# Altium PCB RFID final.PcbDoc (part 1 of 3) (continued)
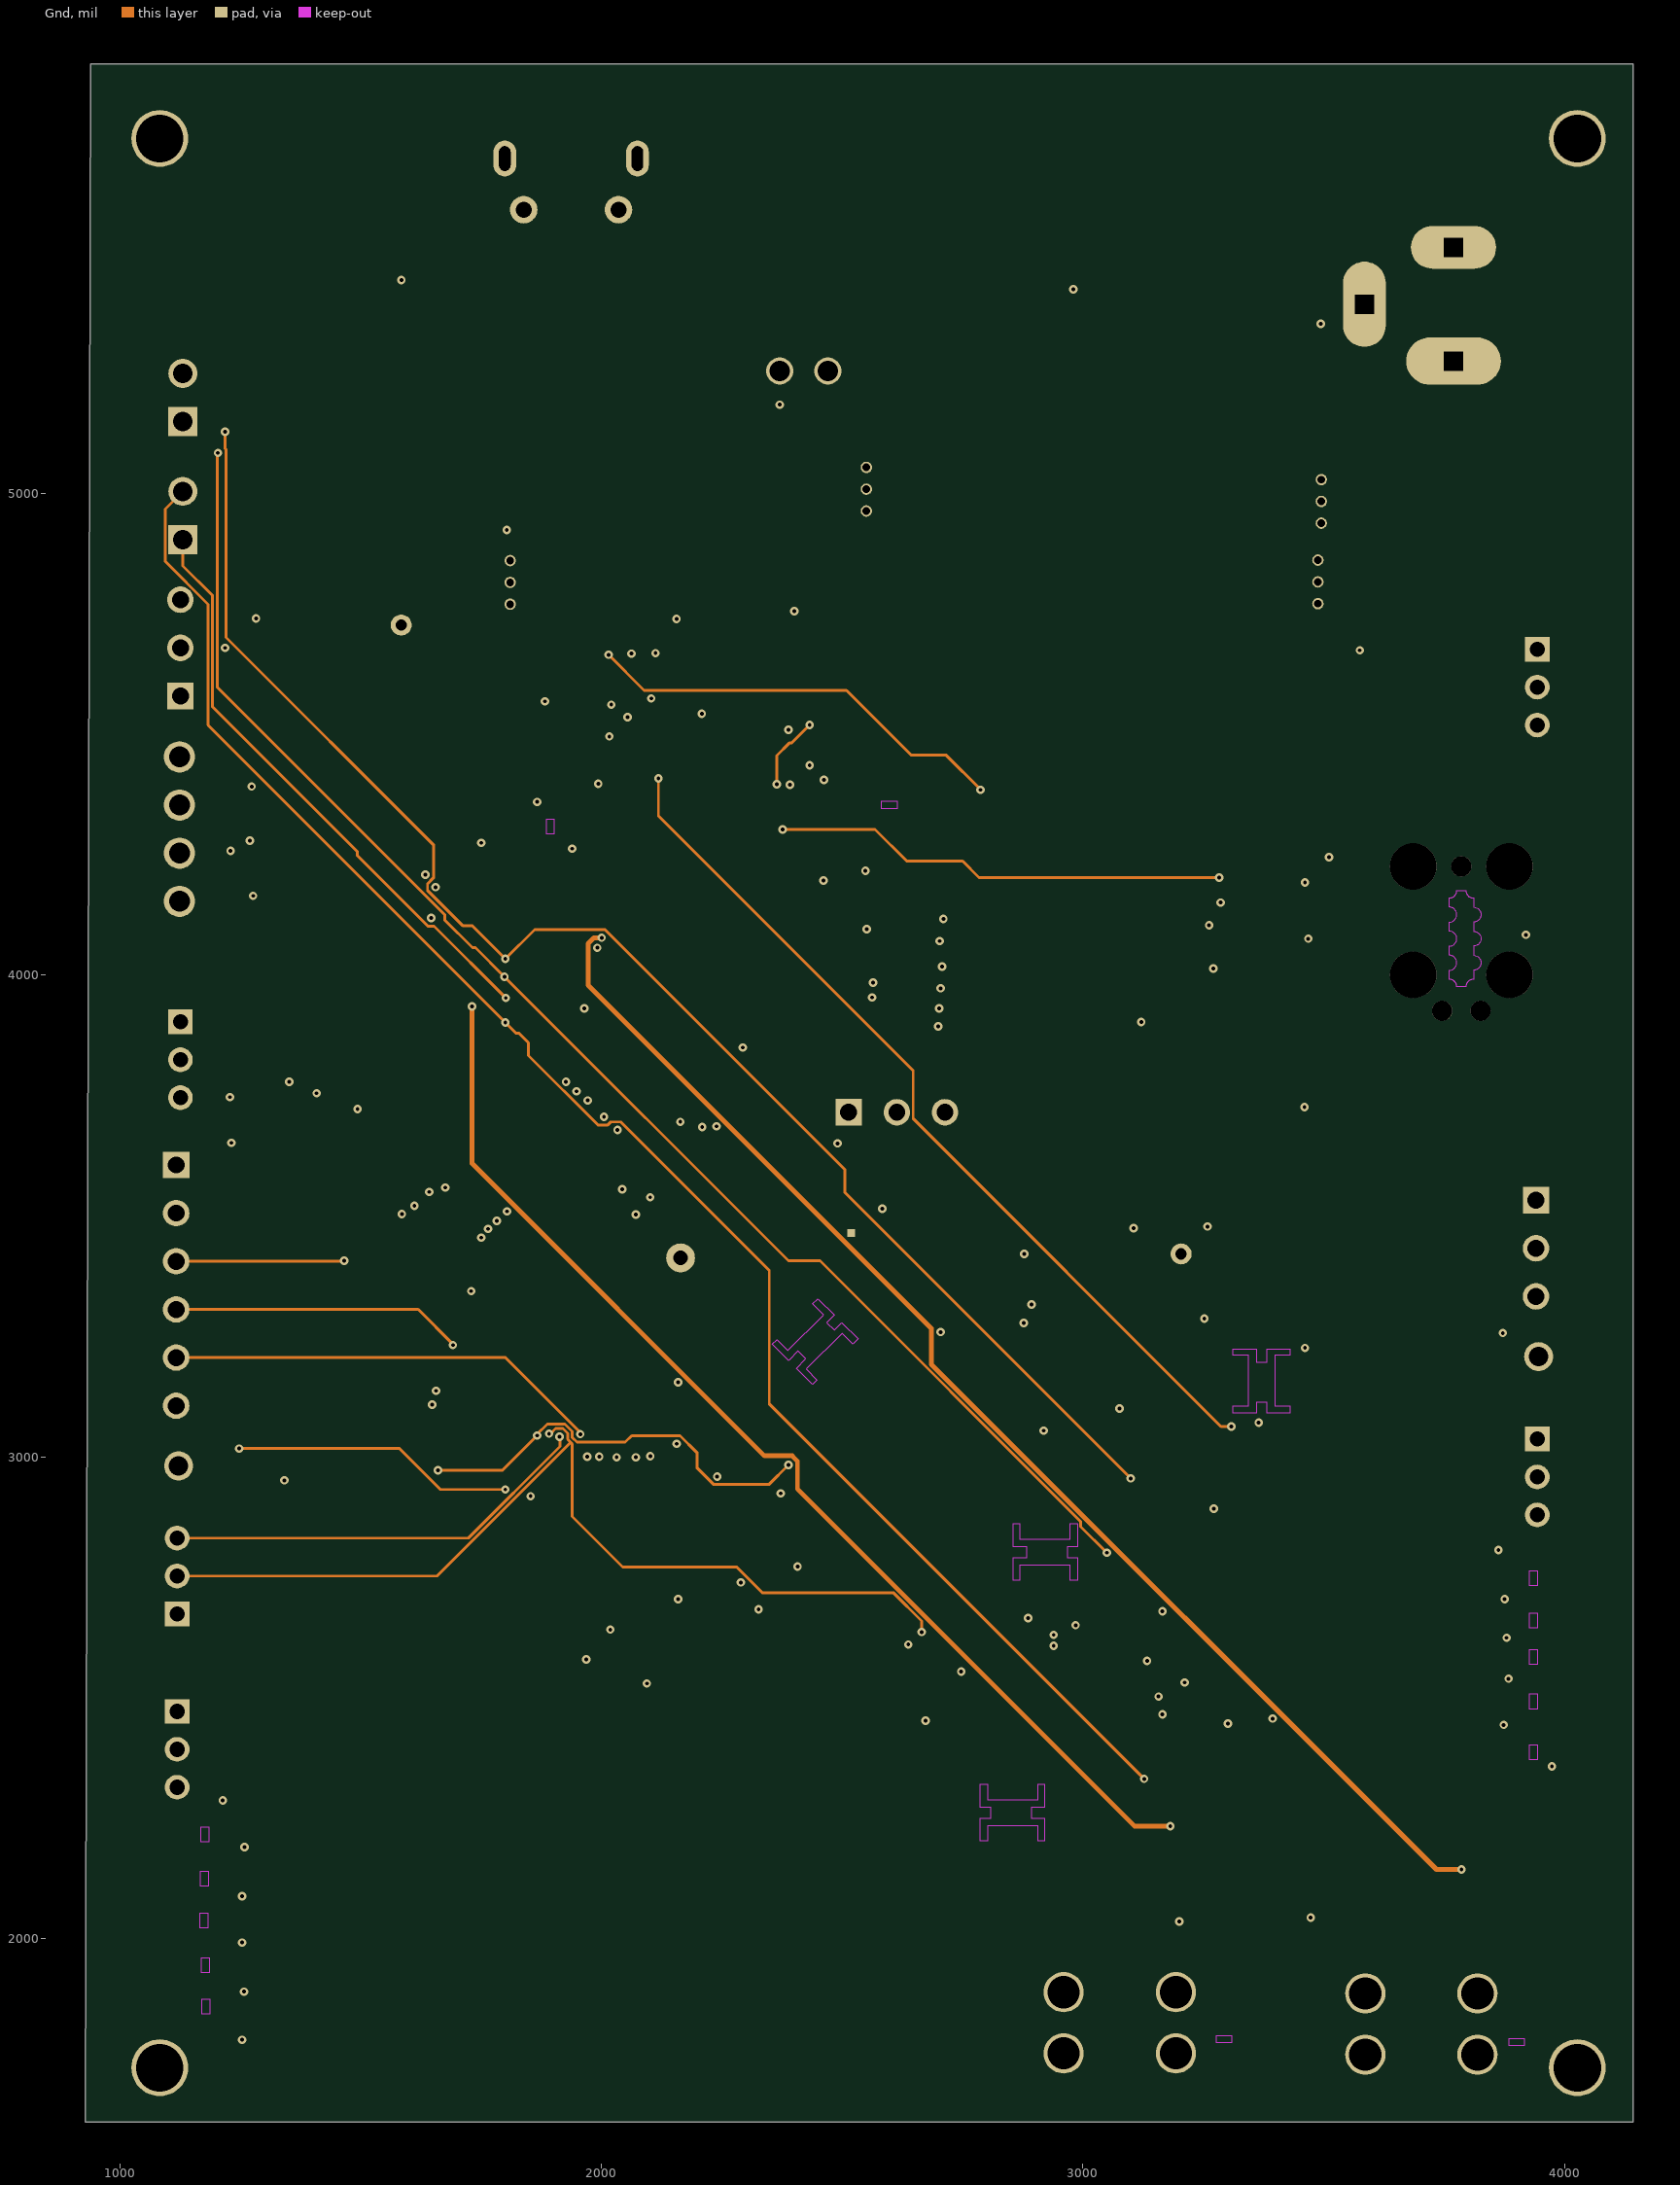
[diagram p4: Gnd]
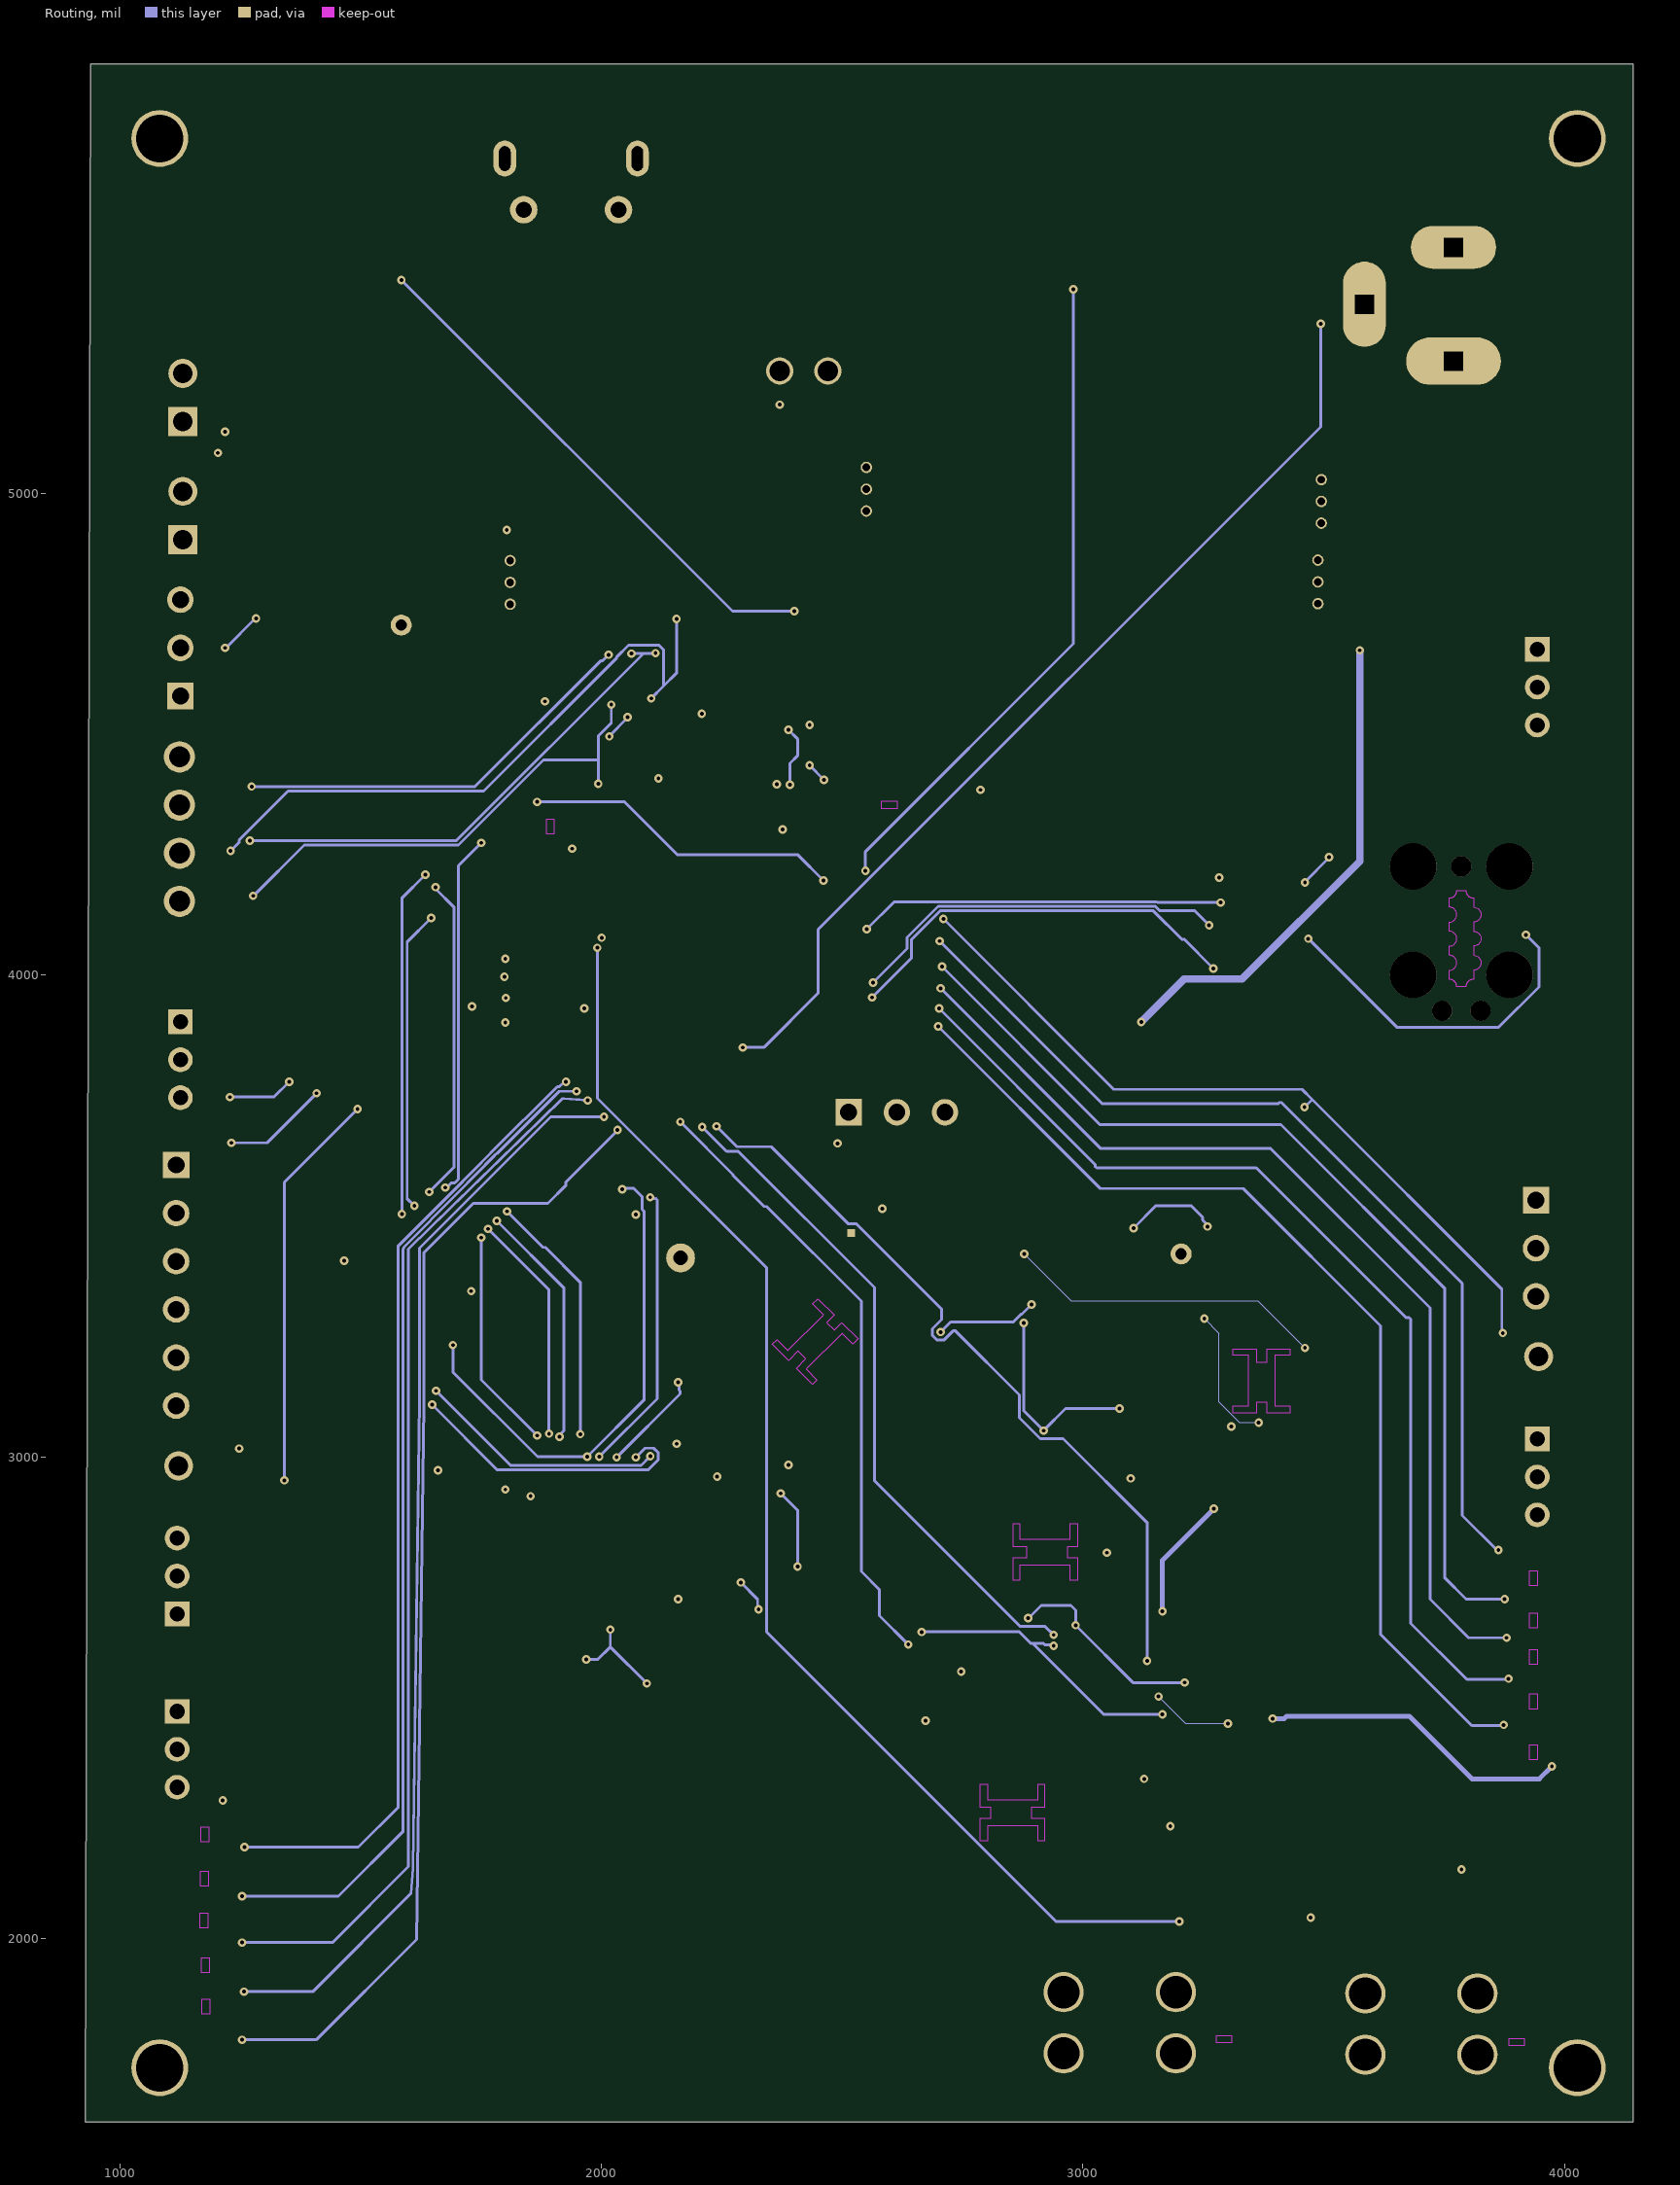
[diagram p5: Routing]

## Layer stack, top to bottom
Top Solder: solder mask 0.4, Solder Resist, Dk 4.4
Top Layer: signal copper 1.378
Dielectric 4: prepreg 2.8, PP-006, Dk 4.4
RF_Ground: signal copper 0.709
Dielectric 2: prepreg 2.8, PP-006, Dk 4.4
Power: signal copper 0.709
Dielectric 1: dielectric 12.6, FR-4, Dk 4.4
Gnd: signal copper 0.709
Dielectric 3: prepreg 2.8, PP-006, Dk 4.4
Routing: signal copper 0.709
Dielectric 5: prepreg 2.8, PP-006, Dk 4.4
Bottom_Gnd: signal copper 1.378
Bottom Solder: solder mask 0.4, Solder Resist, Dk 4.4

## Board outline
4143,5892.99 938.79,5893.01 927.23,1618 4143,1618

## Design rules (kind name [scope] priority, off if disabled: settings)
BoardOutlineClearance [All] p1: gap=7.87 ignorepadtopadclearanceinfootprint=FALSE
Clearance [All] p1: gap=3.5 ignorepadtopadclearanceinfootprint=FALSE except(5: Arc-Via Track-Via SMDPad-Via THPad-Via Via-Via Via-Fill Via-Poly Via-Region Via-Text; 9.84: Arc-Hole Track-Hole SMDPad-Hole THPad-Hole Via-Hole Fill-Hole Poly-Hole Region-Hole Text-Hole)
ComponentClearance [All] p1: gap=3.5 collisioncheckmode=3 verticalgap=3.5 showdistances=TRUE
DiffPairsRouting DiffPairsRouting_1 [InDifferentialPair('D_ESD')] p1: maxlimit=10 minlimit=10 mostfreqgap=10 toplayer_minwidth=5.91 toplayer_maxwidth=11.81 toplayer_prefwidth=7.48 midlayer1_minwidth=5.91 midlayer1_maxwidth=11.81 midlayer1_prefwidth=7.48 midlayer2_minwidth=5.91 midlayer2_maxwidth=11.81 midlayer2_prefwidth=7.48 midlayer3_minwidth=5.91 midlayer3_maxwidth=11.81 midlayer3_prefwidth=7.48 midlayer4_minwidth=5.91 midlayer4_maxwidth=11.81 midlayer4_prefwidth=7.48 bottomlayer_minwidth=5.91 bottomlayer_maxwidth=11.81 bottomlayer_prefwidth=7.48 maxuncoupledlength=500
DiffPairsRouting diff_RFO [InDifferentialPair('RFO')] p2: maxlimit=5 minlimit=5 mostfreqgap=5 toplayer_minwidth=3.05 toplayer_maxwidth=3.05 toplayer_prefwidth=3.05 midlayer1_minwidth=1.63 midlayer1_maxwidth=1.63 midlayer1_prefwidth=1.63 midlayer2_minwidth=2.25 midlayer2_maxwidth=2.25 midlayer2_prefwidth=2.25 midlayer3_minwidth=2.25 midlayer3_maxwidth=2.25 midlayer3_prefwidth=2.25 midlayer4_minwidth=1.63 midlayer4_maxwidth=1.63 midlayer4_prefwidth=1.63 bottomlayer_minwidth=3.05 bottomlayer_maxwidth=3.05 bottomlayer_prefwidth=3.05 impedanceprofiledriven=TRUE impedanceprofileid={D69814C1-8BCF-4834-B0C3-116DC5DC2E47} impedanceprofilevalue=100.000000 maxuncoupledlength=500
DiffPairsRouting diff_RX [InDifferentialPair('RX')] p3: maxlimit=5 minlimit=5 mostfreqgap=5 toplayer_minwidth=3.05 toplayer_maxwidth=3.05 toplayer_prefwidth=3.05 midlayer1_minwidth=1.63 midlayer1_maxwidth=1.63 midlayer1_prefwidth=1.63 midlayer2_minwidth=2.25 midlayer2_maxwidth=2.25 midlayer2_prefwidth=2.25 midlayer3_minwidth=2.25 midlayer3_maxwidth=2.25 midlayer3_prefwidth=2.25 midlayer4_minwidth=1.63 midlayer4_maxwidth=1.63 midlayer4_prefwidth=1.63 bottomlayer_minwidth=3.05 bottomlayer_maxwidth=3.05 bottomlayer_prefwidth=3.05 impedanceprofiledriven=TRUE impedanceprofileid={D69814C1-8BCF-4834-B0C3-116DC5DC2E47} impedanceprofilevalue=100.000000 maxuncoupledlength=500
DiffPairsRouting diff_TX [InDifferentialPair('TX')] p4: maxlimit=5 minlimit=5 mostfreqgap=5 toplayer_minwidth=3.05 toplayer_maxwidth=3.05 toplayer_prefwidth=3.05 midlayer1_minwidth=1.63 midlayer1_maxwidth=1.63 midlayer1_prefwidth=1.63 midlayer2_minwidth=2.25 midlayer2_maxwidth=2.25 midlayer2_prefwidth=2.25 midlayer3_minwidth=2.25 midlayer3_maxwidth=2.25 midlayer3_prefwidth=2.25 midlayer4_minwidth=1.63 midlayer4_maxwidth=1.63 midlayer4_prefwidth=1.63 bottomlayer_minwidth=3.05 bottomlayer_maxwidth=3.05 bottomlayer_prefwidth=3.05 impedanceprofiledriven=TRUE impedanceprofileid={D69814C1-8BCF-4834-B0C3-116DC5DC2E47} impedanceprofilevalue=100.000000 maxuncoupledlength=500
DiffPairsRouting [All] p5: maxlimit=5 minlimit=5 mostfreqgap=5 toplayer_minwidth=3.05 toplayer_maxwidth=3.05 toplayer_prefwidth=3.05 midlayer1_minwidth=1.63 midlayer1_maxwidth=1.63 midlayer1_prefwidth=1.63 midlayer2_minwidth=2.25 midlayer2_maxwidth=2.25 midlayer2_prefwidth=2.25 midlayer3_minwidth=2.25 midlayer3_maxwidth=2.25 midlayer3_prefwidth=2.25 midlayer4_minwidth=1.63 midlayer4_maxwidth=1.63 midlayer4_prefwidth=1.63 bottomlayer_minwidth=3.05 bottomlayer_maxwidth=3.05 bottomlayer_prefwidth=3.05 impedanceprofiledriven=TRUE impedanceprofileid={D69814C1-8BCF-4834-B0C3-116DC5DC2E47} impedanceprofilevalue=100.000000 maxuncoupledlength=500
Height [All] p1: minheight=0 maxheight=71497.94 prefheight=500
HoleSize [All] p1: absolutevalues=TRUE maxlimit=248.03 minlimit=7.87 maxpercent=80.000 minpercent=20.000
HoleToHoleClearance [All] p1: gap=9.84 allowstackedmicrovias=FALSE
MinimumAnnularRing [All] p1: minimumring=3
MinimumSolderMaskSliver [All] p1: minsoldermaskwidth=0
PlaneClearance [All] p1: clearance=3.5
PlaneConnect PlaneConnectPowerPads [InPadClass('PowerPads')] p1: planeconnectstyle=Direct reliefexpansion=20 reliefentries=4 reliefconductorwidth=10 reliefairgap=10
PlaneConnect [All] p2: pad.planeconnectstyle=Relief pad.reliefexpansion=11.81 pad.reliefentries=4 pad.reliefconductorwidth=3.5 pad.reliefairgap=3.5 via.planeconnectstyle=Direct via.reliefexpansion=11.81 via.reliefentries=4 via.reliefconductorwidth=5 via.reliefairgap=5
PolygonConnect PolygonConnectPowerPads [All vs (InPadClass('PowerPads'))] p1: connectstyle=Direct reliefconductorwidth=10 reliefentries=4 polygonreliefangle="90 Angle" airgapwidth=10
PolygonConnect [All] p2: thpad.connectstyle=Relief thpad.reliefconductorwidth=3.5 thpad.reliefentries=4 thpad.polygonreliefangle="90 Angle" thpad.airgapwidth=3.5 smdpad.connectstyle=Relief smdpad.reliefconductorwidth=3.5 smdpad.reliefentries=4 smdpad.polygonreliefangle="90 Angle" smdpad.airgapwidth=3.5 via.connectstyle=Direct via.reliefconductorwidth=5 via.reliefentries=4 via.polygonreliefangle="90 Angle" via.airgapwidth=5
RoutingVias RoutingVias_GND_RF [InNet('GND')] p1: holewidth=11.81 width=15.75 viastyle="Through Hole" minholewidth=11.81 minwidth=15.75 maxholewidth=28 maxwidth=50
RoutingVias [All] p2: holewidth=7.87 width=17.72 viastyle="Through Hole" minholewidth=7.87 minwidth=17.72 maxholewidth=248.03 maxwidth=257.87
SilkToSilkClearance [All] p1: silktosilkclearance=0
SilkToSolderMaskClearance [IsPad] p1: minsilkscreentomaskgap=3.5 clearancetoexposedcopper=TRUE
SolderMaskExpansion [All] p1: expansion=2.95 istentingtop=FALSE
Width 3v3_width [InNet('3V3')] p1: maxlimit=27.56 minlimit=7.87 preferedwidth=10
Width RF_50 [InNetClass('RF_50')] p2: maxlimit=4.23 minlimit=1.85 preferedwidth=3.14 toplayer_minwidth=4.23 toplayer_prefwidth=4.23 midlayer1_maxwidth=1.85 midlayer1_prefwidth=1.85 midlayer2_minwidth=3.14 midlayer2_maxwidth=3.14 midlayer3_minwidth=3.14 midlayer3_maxwidth=3.14 midlayer4_maxwidth=1.85 midlayer4_prefwidth=1.85 bottomlayer_minwidth=4.23 bottomlayer_prefwidth=4.23 impedanceprofiledriven=TRUE impedanceprofileid={596D8876-F9FB-415F-8978-2C6B53B08486} impedanceprofilevalue=50.000000 minimp=50.000000 maximp=50.000000 favimp=50.000000 // 50ohm
Width [All] p3: maxlimit=71497.94 minlimit=5.91 preferedwidth=5.91
20 further rules are at their usual default settings.

## Classes and differential pairs
net class RF_100: IN_N IN_P RFO_N RFO_P RX_N RX_P TX_N TX_P
net class RF_50: GND LP_FILTER_IN LP_FILTER_OUT NetC32_1 NetC35_1 NetC35_2 NetC36_1 NetC36_2 NetC37_1 NetC37_2 NetC107_1 NetC107_2 NetC108_1 NetC108_2 NetC109_2 NetC112_1 NetC112_2 NetJ1_A NetJ1_C NetJ3_A NetJ3_C NetL12_2 NetR22_2 NetR23_2 NetR24_2 NetT2_1 "PA OUT"
differential pair class TX: TX
differential pair class RX: RX
differential pair class RFO: RFO
differential pair class IN: IN
differential pair class D_ESD: D_ESD
differential pair class D_CON: D_CON
differential pair class D_CMC: D_CMC
component class USB_interface: C23 C30 C33 C96 C97 C98 C99 C100 C101 C102 C103 D20 D21 FB7 P1 P2 R6 R41 R47 R86 R89 T8 U13 U14
component class "RFID reader": C1 C3 C4 C5 C6 C7 C12 C13 C14 C32 C34 C50 C51 C52 C54 C55 C56 C57 C58 C59 C60 C61 C62 C63 C64 C65 C66 C67 C69 C71 C72 C73 C74 C75 C76 C77 C78 C79 C80 C81 C82 C83 C84 C85 C86 C88 C89 C90 C91 C92 C93 C94 C110 C111 FB1 FB4 FB5 J9 L1 L2 L3 L4 L10 L15 R33 R54 R55 T3 T5 U4 U5 X3
component class Mechanical: SHIELD1
component class "External interfaces": D22 D23 D24 D25 D26 D27 D28 D29 D30 D31 D32 D33 D34 D35 D36 D37 D38 D45 D47 D48 D49 D50 D52 J2 J4 J7 J8 J10 J11 J12 J13 J15 J30 J31 P3 R4 R5 R19 R42 R46 TP1 TP2 TP3 TP4
component class Designator: C15 C16 C17 C20 C70 C104 C105 C107 C108 C109 J1 J6 R10 R20 R21 R22 R23 R24 R25 R45 S1 T1 T2 U2 U3
component class DC_Supply: C21 C22 C24 C38 C40 C41 C42 C43 C44 C46 C47 C48 C49 C106 FB2 J5 J14 J20 J21 R1 R2 R3 R27 R28 R29 R30 R31 R32 R44 U9 U10 U11
component class controller: B1 B2 BZ1 C2 C8 C9 C10 C11 C25 C26 C27 C28 C29 C31 D1 D2 D3 D4 D5 D6 D7 D8 D9 D10 D11 D12 D13 D15 D16 D17 extPA FB3 intPA "MCU OK" "NO TAG RESP" "OSC OK" "PLL OK" R7 R8 R9 R11 R12 R13 R14 R15 R16 R17 R18 R36 R37 R38 R39 R40 R43 R50 R51 R52 R53 R56 R57 R58 R61 R64 R65 R66 R81 R82 R83 R90 R91 R92 R93 "RF ON" "TAG CRC ERROR" "TAG Found" TP14 TP15 TUNED TUNING Tuning U1A X1
component class "Carrier Cancellation Circuit": C18 C19 C37 C53 C68 C87 C95 J3 L11 L12 R26 R34 R35 T4 T6 U6 U7 U8
component class "Antenna Switch": C35 C36 C112 P4 P5 S2
differential pair TX: +TX_P -TX_N
differential pair RX: +RX_P -RX_N
differential pair RFO: +RFO_P -RFO_N
differential pair IN: +IN_P -IN_N
differential pair D_ESD: +D_ESD_P -D_ESD_N
differential pair D_CON: +D_CON_P -D_CON_N
differential pair D_CMC: +D_CMC_P -D_CMC_N

## Components (designator, comment, footprint, x,y, rotation, side; value= is the part's Value field where it differs from the comment)
B1 "RESET" SW_TL3301AF160QG 1241,5518 r180 top
B2 "Boot" SW_TL3301AF160QG 1624.02,4453.74 r0 top
BZ1 "BUZZER" SPKR_PKMCS0909E4000-R1 3215,5513 r0 top
C1 "1p2F" CAPC1005X55N 2314,2792 r270 top
C2 "0.47uF" FP-NFM18-0_1-e0_05_0_35-MFG#1 2346.46,4454.72 r0 top
C3 "1p2F" CAPC1005X55N 2314,2874 r90 top
C4 "15pF" CAPC1005X55N 2435,2807 r0 top
C5 "15pF" CAPC1005X55N 2434,2856 r0 top
C6 "5p6F" CAPC1005X55N 2597,2804 r180 top
C7 "5p6F" CAPC1005X55N 2596.01,2855 r0 top
C8 "0.47uF" FP-NFM18-0_1-e0_05_0_35-MFG#2 2156.5,4486.22 r0 top
C9 "4p7F" CAPC1005X55N 2368.39,4549.21 r0 top
C10 "4p7F" CAPC1005X55N 2452.05,4549.21 r180 top
C11 "10uF" 2917(POL) 2654.53,4714.37 r90 top
C12 "120pF" CAPC0603X33N 2348,2719.06 r90 top
C13 "2u2F" CAPC0603X35N 2250,2631.34 r180 top
C14 "120pF" CAPC0603X33N 2386,2718 r270 top
C15 "2u2F" CAPC0603X35N 3206.69,2999.88 r90 top
C16 "0.47uF" FP-NFM18-0_1-e0_05_0_35-MFG#1 2816.02,3126.34 r90 top
C17 "2n2F" CAPC1005X55N 3447.83,2840.55 r270 top
C18 "2u2F" CAPC0603X35N 2775.63,2561.89 r90 top
C19 "2u2F" CAPC0603X35N 3368.9,2454.53 r90 top
C20 "10uF" 2917(POL) 3054.25,3166.34 r180 top
C21 "1uF" FIL_NFM21PC105B1A3D 3495.08,4984.25 r180 top
C22 "1uF" FIL_NFM21PC105B1A3D 3488,4817 r0 top
C23 "6u8F" 2917(POL) 2276,4942 r270 top
C24 "2u2F" CAPC0603X35N 3623.43,4825.91 r270 top
C25 "100nF" CAPC1005X55N 1522.64,5445.87 r90 top
C26 "2u2F" CAPC0603X35N 2225.39,4487.32 r270 top
C27 "100nF" CAPC0510X35N 1997.05,4247.52 r270 top
C28 "100nF" CAPC0510X35N 1996,3990.65 r270 top
C29 "100nF" CAPC0510X35N 2417.99,3836.97 r0 top
C30 "2u2F" CAPC0603X35N 1900.59,4791.46 r90 top
C31 "100nF" CAPC0510X35N 2587.64,4267.32 r90 top
C32 "82pF" CAPC1005X55N 2731.99,2998 r180 top
C33 "2u2F" CAPC0603X35N 2228.35,4643.7 r180 top
C34 "30pF" CAPC0603X33N 2041.02,3026.34 r180 top
C35 "82pF" CAPC1005X55N 3409.72,2235.24 r0 top
C36 "82pF" CAPC1005X55N 3030,2265 r225 top
C37 "3p6F" CAPC1005X55N 3071,2495.99 r270 top
C38 "2u2F" CAPC1005X55N 1680.12,4748.03 r90 top
C39 "0.47uF" FP-NFM18-0_1-e0_05_0_35-MFG#1 1738.19,4708.66 r90 top
C40 "2u2F" CAPC1005X55N 1484.25,4710.35 r270 top
C41 "0.47uF" FP-NFM18-0_1-e0_05_0_35-MFG#1 1422.24,4719.49 r90 top
C42 "2u2F" CAPC1005X55N 2456.02,3466.34 r90 top
C43 "0.47uF" FP-NFM18-0_1-e0_05_0_35-MFG#3 2536.02,3464.84 r270 top
C44 "2u2F" CAPC1005X55N 2225,3438.01 r90 top
C45 "0.47uF" FP-NFM18-0_1-e0_05_0_35-MFG#1 2135,3480.25 r180 top
C46 "2u2F" CAPC1005X55N 3102.36,3420.28 r90 top
C47 "0.47uF" FP-NFM18-0_1-e0_05_0_35-MFG#1 3043.31,3410.43 r90 top
C48 "2u2F" CAPC1005X55N 3307.09,3356.3 r90 top
C49 "0.47uF" FP-NFM18-0_1-e0_05_0_35-MFG#3 3400.59,3347.44 r270 top
C50 "100nF" CAPC1005X55N 1791.02,3321.34 r270 top
C51 "220nF" CAPC1005X55N 2066.02,3134.33 r90 top
C52 "2u2F" CAPC0603X35N 2041.73,3071.34 r180 top
C53 "120pF" CAPC0603X33N 2814.96,2562.24 r90 top
C54 "82pF" CAPC1005X55N 2306.02,3046.34 r225 top
C55 "3n9F" CAPC1005X55N 1709.65,2537.13 r90 top
C56 "150pF" CAPC1005X55N 1702,2623 r90 top
C57 "120pF" CAPC0603X33N 2398,2569 r270 top
C58 "120pF" CAPC0603X33N 2112.09,3071.34 r0 top
C59 "2u2F" CAPC0603X35N 1750,3034.31 r0 top
C60 "120pF" CAPC0603X33N 1750.16,2999.31 r0 top
C61 "2u2F" CAPC0603X35N 1750,2964.31 r0 top
C62 "120pF" CAPC0603X33N 1750.16,2929.31 r0 top
C63 "2u2F" CAPC0603X35N 1750,2894.31 r0 top
C64 "120pF" CAPC0603X33N 1750.16,2859.31 r0 top
C65 "82pF" CAPC1005X55N 2248.05,3103.36 r45 top
C66 "2u2F" CAPC0603X35N 2213.31,2691.99 r90 top
C67 "100nF" CAPC0510X35N 2264.31,2690.7 r90 top
C68 "120pF" CAPC0603X33N 3328.9,2454.88 r90 top
C69 "100nF" CAPC0510X35N 1814,3039 r270 top
C70 "120pF" CAPC0603X33N 3249.02,2999.76 r90 top
C71 "2u2F" CAPC0603X35N 1750.29,2778 r0 top
C72 "30pF" CAPC0603X33N 1749.94,2820 r0 top
C73 "2u2F" CAPC0603X35N 1751,2696 r0 top
C74 "30pF" CAPC0603X33N 1750,2737 r0 top
C75 "2u2F" CAPC0603X35N 1757.87,2644.68 r0 top
C76 "120pF" CAPC0603X33N 1756.89,2604.33 r0 top
C77 "100nF" CAPC0510X35N 2355.31,2626.46 r90 top
C78 "2u2F" CAPC0603X35N 2303.15,2625.98 r90 top
C79 "10nF" CAPC0603X33N 1849.41,2616.14 r90 top
C80 "10nF" CAPC0603X33N 1884.84,2616.38 r90 top
C81 "10nF" CAPC0603X33N 1922.24,2616.14 r90 top
C82 "10nF" CAPC0603X33N 1961.61,2616.14 r90 top
C83 "100nF" CAPC0510X35N 2062.01,2581.69 r180 top
C84 "2u2F" CAPC0603X35N 2061.02,2631.34 r180 top
C85 "2u2F" CAPC0603X35N 2187.01,2631.34 r180 top
C86 "100nF" CAPC0510X35N 2186.02,2581.69 r180 top
C87 "2u2F" CAPC0603X35N 3145.67,2622.91 r90 top
C88 "100nF" CAPC0510X35N 2123.03,2581.69 r180 top
C89 "2u2F" CAPC0603X35N 2123.9,2631.34 r180 top
C90 "2u2F" CAPC0603X35N 2213,2754.71 r90 top
C91 "0.47uF" FP-NFM18-0_1-e0_05_0_35-MFG#1 2336,2475.25 r0 top
C92 "10uF" 2917(POL) 2508.86,2530.51 r90 top
C93 "82pF" CAPC1005X55N 2000.98,2512.52 r90 top
C94 "82pF" CAPC1005X55N 2053.15,2511.81 r90 top
C95 "120pF" CAPC0603X33N 3105.31,2623.78 r90 top
C96 "1uF" FIL_NFM21PC105B1A3D 2550,5009.61 r0 top
C97 "4u7F" CAPC1608X100N 2775,5195 r180 top
C98 "100nF" CAPC0510X35N 2826.35,5267 r180 top
C99 "1uF" FIL_NFM21PC105B1A3D 1810.04,4815.94 r0 top
C100 "4pF" CAPC1005X55N 2145,5642.99 r90 top
C101 "47pF" CAPC1005X55N 1901,5078 r0 top
C102 "47pF" CAPC1005X55N 1982.01,5078 r180 top
C103 "100nF" CAPC0603X33N 1896.89,4940.94 r0 top
C104 "0.47uF" FP-NFM18-0_1-e0_05_0_35-MFG#1 2916.5,3516.18 r90 top
C105 "2u2F" CAPC0603X35N 2841.02,3252.05 r90 top
C106 "6u8F" 2917(POL) 3768,4963.23 r270 top
C107 "82pF" CAPC1005X55N 2971.46,2902.56 r180 top
C108 "82pF" CAPC1005X55N 3199.01,3288 r180 top
C109 "82pF" CAPC1005X55N 3166.34,2885.55 r90 top
C110 "11pF" CAPC1005X55N 2076.02,3379.33 r270 top
C111 "11pF" CAPC1005X55N 1791.02,3401.34 r90 top
C112 "82pF" CAPC1005X55N 3218.99,2254 r0 top
D1 "LED BL" LED_0402 1893.31,4309.06 r180 top
D2 "LED BL" LED_0402 3935.48,2659.96 r0 top
D3 "LED BL" LED_0402 3935.48,2386.34 r0 top
D4 "LED BL" LED_0402 3935.48,2747.56 r0 top
D5 "LED BL" LED_0402 3935.48,2584.17 r0 top
D6 "LED BL" LED_0402 1178.15,1858.27 r180 top